# KiCad board pcb.kicad_pcb (continued)
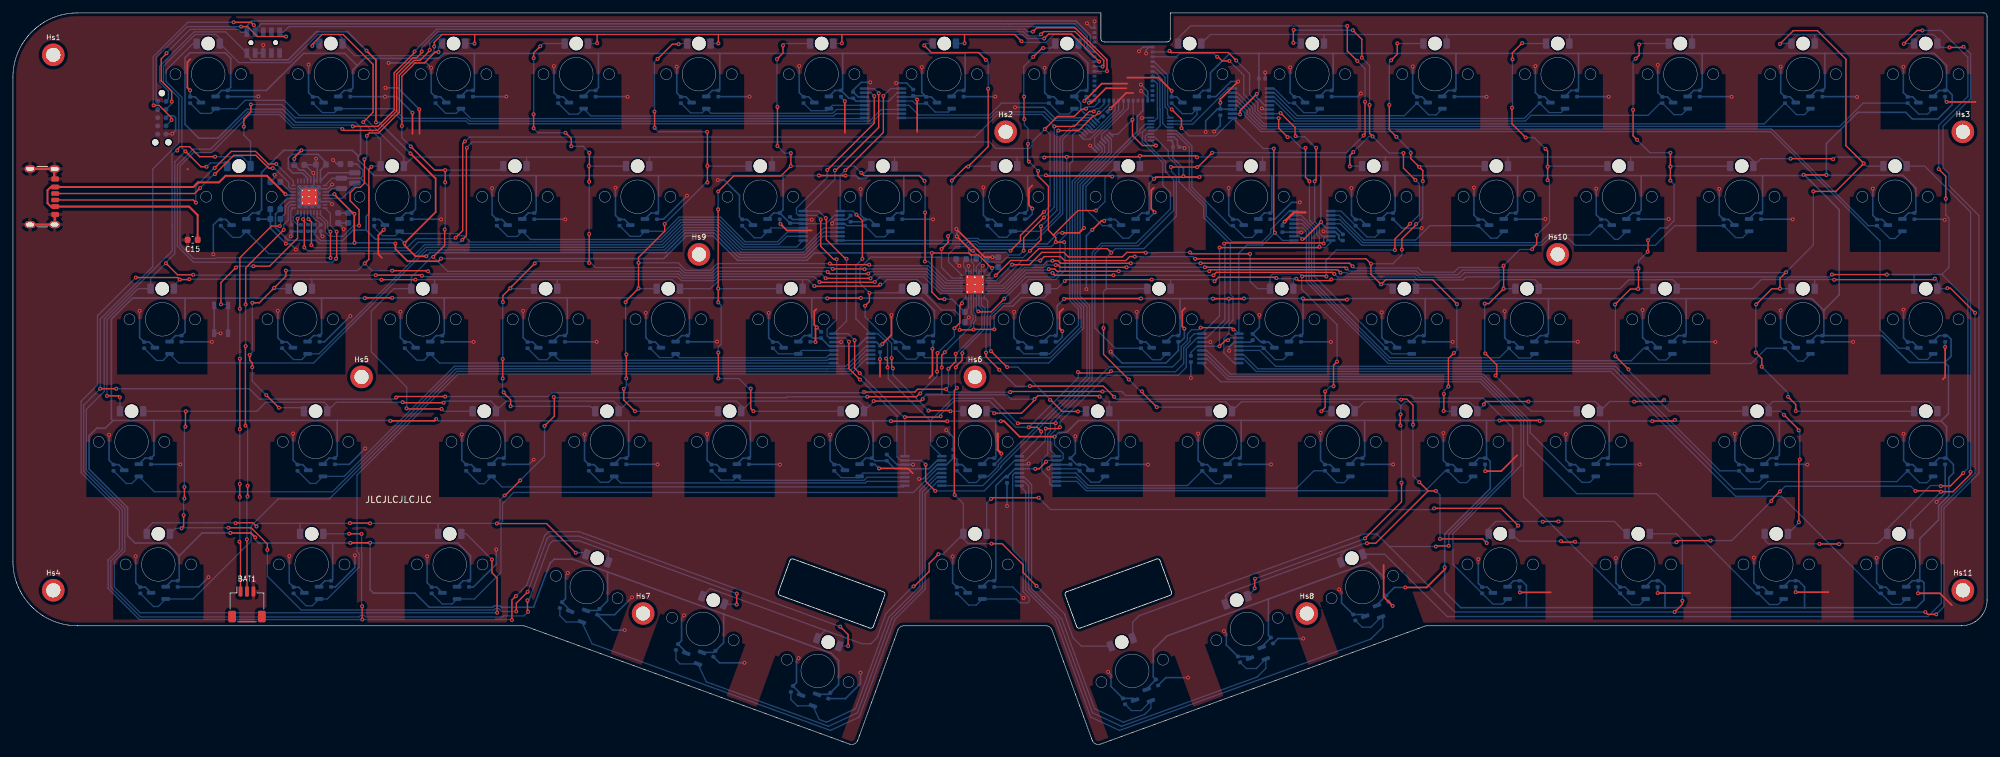
[diagram p0: board, top side]
## Routing (per net, layer and track width the routed paths; a pad name or vN(x,y) marks a point on that pad's centre or on a via; arc(x,y) is an arc through that point) (continued)
/CS2: length 157.1
  Top w0.2: v1(217.32,80.62) 217.32,80.53 215.11,78.32 v1(215.11,76.67) ; v1(222.32,55.44) 222.32,59.77 v1(223.18,60.63) ; v1(183.09,75.23) 209.56,75.23 v1(210.33,74.46) 210.33,72.84 v1(211.9,71.27) 212.63,72 219.85,72 v1(223.64,68.21) ; v1(216.49,91.64) 216.49,90.78 v1(217.81,89.46) 218.35,88.92 v1(218.35,87.25) ; v1(221.59,51.63) 221.62,51.66 v1(221.62,54.29) ; v1(159.1,74.95) 159.73,75.58 162.25,75.58 162.87,74.96 172.36,74.96 172.98,75.58 v1(173.76,75.58) ; v1(213.45,106) 214.4,106.95 v1(214.4,108.64) ; v1(213.17,99.09) 213.17,95.24 v1(214.27,94.14)
  Bottom w0.2: v1(217.81,89.46) 217.95,89.6 D26.1 ; v1(214.4,108.64) 214.44,108.6 D11.1 ; v1(222.32,55.44) 221.62,54.74 v1(221.62,54.29) ; D40.1 213.03,71.27 v1(211.9,71.27) ; v1(221.59,51.63) 221.62,51.6 D55.1 ; v1(213.45,106) 213.17,105.72 v1(213.17,99.09) ; v1(223.64,68.21) 223.64,61.09 v1(223.18,60.63) ; v1(215.11,76.67) 215.11,75.85 213.72,74.46 v1(210.33,74.46) ; LEDDR1.4 152.75,71.45 156.25,74.95 v1(159.1,74.95) ; v1(183.09,75.23) 182.74,75.58 175.78,75.58 175.72,75.52 175.18,75.52 175.12,75.58 v1(173.76,75.58) ; v1(216.49,91.64) 216.49,91.92 v1(214.27,94.14) ; v1(218.35,87.25) 218.35,81.56 217.41,80.62 v1(217.32,80.62)
/CS3: length 174.3
  Top w0.2: v1(228.03,60.56) 229.81,58.78 229.81,57.33 v1(229.61,57.13) ; v1(237.69,87.42) v1(237.69,89.51) 237.69,91.94 v1(237.35,92.28) ; v1(207.48,74.07) 207,74.55 v1(183.93,74.55) ; v1(234.29,94.03) 232.17,96.15 v1(232.17,98.67) ; v1(235.99,78.89) 235.99,77.49 235.29,76.79 v1(235.29,76.72) ; v1(173.13,74.54) 162.23,74.54 161.84,74.93 v1(160.99,74.93) ; v1(233.75,108.68) 232.24,107.17 v1(232.24,106.14) ; v1(227.94,68.28) 228.56,68.28 v1(230.87,70.59) 230.87,74.16 v1(230.86,74.17)
  Bottom w0.2: v1(228.03,60.56) 227.94,60.65 v1(227.94,68.28) ; v1(160.99,74.93) 160.92,74.86 160.15,74.86 159.59,74.3 156.5,74.3 153.25,71.05 LEDDR1.5 ; D41.1 230.88,70.6 v1(230.87,70.59) ; v1(232.17,98.67) 232.24,98.74 v1(232.24,106.14) ; D12.1 233.83,108.6 v1(233.75,108.68) ; D27.1 237.78,89.6 v1(237.69,89.51) ; v1(229.61,57.13) 229.61,57.11 235.12,51.6 D56.1 ; v1(235.29,76.72) 235.25,76.67 233.37,76.67 v1(230.86,74.17) 230.58,73.89 223.92,73.89 223.19,73.16 218.3,73.16 217.66,73.8 207.75,73.8 v1(207.48,74.07) ; v1(234.29,94.03) 235.6,94.03 v1(237.35,92.28) ; v1(183.93,74.55) 183.92,74.54 v1(173.13,74.54) ; v1(235.99,78.89) 237.98,80.88 237.98,87.13 v1(237.69,87.42)
/CS4: length 201.7
  Top w0.2: v1(248.18,60.13) 250.22,58.09 v1(250.22,58.08) ; v1(253.18,76.32) 253.24,76.38 v1(253.24,78.12) ; v1(161.51,74.26) 161.87,74.26 162.22,73.91 v1(172.48,73.91) ; v1(256.7,87.36) v1(256.7,89.51) v1(256.7,91.67) ; v1(251.86,108.45) 251.86,106.8 v1(251.32,106.26) ; v1(206.54,73.72) 206.33,73.93 v1(184.6,73.93) ; v1(250.92,98.32) 250.92,94.29 v1(251.54,93.67) ; v1(251.76,73.74) 251.76,70.6 v1(251.71,70.55) 250.52,70.55 v1(248.12,68.15)
  Bottom w0.2: v1(206.54,73.72) 206.91,73.35 217.34,73.35 217.93,72.76 223.75,72.76 224.48,73.49 251.51,73.49 v1(251.76,73.74) 251.76,74.9 v1(253.18,76.32) ; v1(256.7,89.51) 256.79,89.6 D28.1 ; v1(251.32,106.26) 250.92,105.86 v1(250.92,98.32) ; v1(251.54,93.67) 253.54,91.67 v1(256.7,91.67) ; D13.1 252.01,108.6 v1(251.86,108.45) ; D42.1 251.76,70.6 v1(251.71,70.55) ; v1(172.48,73.91) 172.5,73.93 v1(184.6,73.93) ; LEDDR1.6 153.41,70.65 156.66,73.9 159.75,73.9 160.11,74.26 v1(161.51,74.26) ; v1(248.18,60.13) 248.18,68.09 v1(248.12,68.15) ; v1(256.7,87.36) 257.27,86.79 257.27,81.13 256.15,80.01 255.13,80.01 v1(253.24,78.12) ; D57.1 256.54,51.6 250.22,57.92 v1(250.22,58.08)
/CS5: length 232.1
  Top w0.2: v1(274.92,53.84) 276.12,52.64 v1(276.12,51.63) ; v1(185.28,73.32) 185.49,73.53 205.17,73.53 v1(205.61,73.09) ; v1(273.67,108.53) 275.74,110.6 279.47,110.6 283.89,106.18 283.89,92.77 v1(286.65,90.01) 282.32,85.68 v1(278.84,85.68) ; v1(171.26,73.3) 161.7,73.3 161.36,73.64 v1(160.43,73.64) ; v1(269.99,68.16) 272.42,70.59 v1(273.68,70.59) 273.68,72.22 v1(274.61,73.15) ; v1(270.85,58.5) 270.85,59.78 v1(269.92,60.71)
  Bottom w0.2: v1(171.26,73.3) 185.26,73.3 v1(185.28,73.32) ; v1(274.92,53.84) 274.92,54.43 v1(270.85,58.5) ; D29.1 287.06,89.6 v1(286.65,90.01) ; v1(273.68,70.59) 273.69,70.6 D43.1 ; v1(278.84,85.68) 278.84,77.38 v1(274.61,73.15) 274.55,73.09 224.84,73.09 224.11,72.36 217.76,72.36 217.17,72.95 206.74,72.95 206.6,73.09 v1(205.61,73.09) ; LEDDR1.7 153.58,70.25 156.83,73.5 160.29,73.5 v1(160.43,73.64) ; v1(269.92,60.71) 269.92,68.09 v1(269.99,68.16) ; v1(276.12,51.63) 276.15,51.6 D58.1 ; D14.1 273.74,108.6 v1(273.67,108.53)
/CS6: length 273.1
  Top w0.2: v1(295.74,110.63) 294.92,110.63 v1(292.85,108.56) ; v1(281.72,72.8) 281.73,72.79 v1(290.23,72.79) ; v1(185.92,72.67) 186.38,73.13 204.42,73.13 v1(204.66,72.89) ; v1(282.82,31) 282.78,31.04 v1(279.79,31.04) ; v1(299.35,84.53) 299.35,88.04 v1(298.26,89.13) ; v1(298.57,39.98) 298.61,40.02 300.06,40.02 v1(302.06,42.02) ; v1(170.44,72.68) 161.36,72.68 v1(161,73.04)
  Bottom w0.2: D44.1 294.45,72.8 294.44,72.81 ; LEDDR1.8 153.76,69.85 156.95,73.04 v1(161,73.04) ; v1(298.26,89.13) 298.26,95.9 302.78,100.41 302.78,106.45 298.6,110.63 v1(295.74,110.63) ; v1(170.44,72.68) 170.45,72.67 v1(185.92,72.67) ; 298.75,72.81 299.84,73.9 299.84,81.53 299.35,82.02 v1(299.35,84.53) ; 298.75,72.81 302.78,68.78 302.78,42.73 v1(302.06,42.02) ; 298.75,72.81 294.44,72.81 ; v1(290.23,72.79) 290.25,72.81 294.44,72.81 ; v1(204.66,72.89) 205.13,72.42 217.11,72.42 217.57,71.96 224.55,71.96 225.01,72.42 281.34,72.42 v1(281.72,72.8) ; v1(292.85,108.56) 292.89,108.6 D15.1 ; D71.1 271.3,31.63 271.88,31.05 279.78,31.05 v1(279.79,31.04) ; v1(298.57,39.98) 298.47,40.09 296.99,40.09 290.3,33.4 D72.1 288.82,31.12 282.94,31.12 v1(282.82,31)
/CS7: length 174.3
  Top w0.2: v1(236.93,34.46) 236.98,34.52 v1(239.38,34.52) ; v1(221.02,31.81) 227.63,31.81 v1(228.27,31.17) ; 219.17,39.25 v1(220.38,39.25) ; 219.17,39.25 211.06,31.14 v1(209.71,31.14) ; 219.17,39.25 v1(217.81,40.61) ; v1(215,53.39) 215.09,53.48 215.88,53.48 216.84,52.52 v1(216.84,49.51) ; v1(150.7,60.69) 150.7,60.09 v1(152.77,58.02) ; v1(157.51,55.5) 168.88,55.5 v1(170.55,53.83)
  Bottom w0.2: v1(215,53.39) 214.91,53.48 170.9,53.48 v1(170.55,53.83) ; 206.45,30.08 209.22,31.09 209.66,31.09 v1(209.71,31.14) ; 206.45,30.08 205.68,29.31 D68.1 ; 206.45,30.08 188.31,23.48 187.83,23 D67.1 ; v1(150.7,60.69) 150.7,63.99 150.88,64.17 150.88,66.38 150.97,66.48 150.97,68.69 LEDDR1.9 ; v1(221.02,31.81) 221.02,38.61 v1(220.38,39.25) ; v1(236.93,34.46) 236.88,34.52 229.67,34.52 228.55,33.4 D69.1 228.27,32.32 v1(228.27,31.17) ; v1(216.84,49.51) 216.84,41.58 v1(217.81,40.61) ; v1(239.38,34.52) 248,34.52 249.93,32.6 ; v1(157.51,55.5) 157.49,55.48 155.31,55.48 v1(152.77,58.02)
/CS8: length 125
  Top w0.2: v1(146.02,58.39) 146.02,58.52 147.01,59.51 147.01,60.56 v1(147.05,60.6) ; v1(146.21,55.21) 145.8,54.8 145.8,38.68 v1(145.86,38.62) ; v1(143.34,29.45) 141.9,28.01 141.9,26.75 139.59,24.44 v1(139.48,24.44) ; v1(151.55,31.07) 153.19,31.07 156.46,27.8 156.46,26.6 v1(158.54,24.52)
  Bottom w0.2: v1(151.55,31.07) 147.93,31.07 147.2,31.8 D65.1 ; v1(145.86,38.62) 147.2,37.28 D65.1 ; LEDDR1.10 150,68.08 150.57,67.51 150.57,66.64 150.46,66.53 150.46,64.32 147.05,60.91 v1(147.05,60.6) ; D64.1 124.58,16.43 125.79,17.63 ; v1(158.54,24.52) 162.9,20.16 162.9,20.01 164.19,16.47 165.46,15.19 D66.1 ; 125.79,17.63 131.5,15.56 132.9,15.56 133.85,16.51 135.21,20.26 139.39,24.44 v1(139.48,24.44) ; 125.79,17.63 107.98,24.12 106.79,22.92 D63.1 ; v1(146.21,55.21) 145.95,55.46 145.95,58.32 v1(146.02,58.39) ; D65.1 144.05,29.45 v1(143.34,29.45)
/CS9: length 173.7
  Top w0.2: 74.93,34.07 v1(74.93,34.19) 82.65,34.19 v1(87.17,29.67) ; v1(78.57,40.89) 76.21,38.53 v1(76.13,38.53) ; v1(55.32,34.22) 55.28,34.26 v1(52.19,34.26) ; v1(37.73,33.74) 37.16,34.31 34.54,34.31 v1(34.49,34.25) ; v1(132.31,53.85) 139.94,53.85 140.45,54.36 v1(140.53,54.36) ; v1(146.98,68.34) 146.66,68.01 146.66,65.3 v1(145.81,64.45) ; v1(83.76,53.82) 83.85,53.73 83.85,50.84 v1(82.33,49.32) ; v1(143.2,60.63) 143.13,60.56 v1(143.13,57.74)
  Bottom w0.2: v1(143.2,60.63) 145.81,63.24 v1(145.81,64.45) ; v1(37.73,33.74) 37.73,33.94 38.02,34.23 44.5,34.23 ; LEDDR1.16 146.98,68.64 v1(146.98,68.34) ; v1(140.53,54.36) 140.53,54.44 143.13,57.04 v1(143.13,57.74) ; v1(76.13,38.53) 75.43,37.83 75.43,34.69 v1(74.93,34.19) 74.9,34.22 65.99,34.22 ; v1(87.17,29.67) 88.57,29.67 D62.1 ; v1(34.49,34.25) 34.44,34.31 30.72,34.31 30.71,34.32 30,34.32 29.99,34.31 21.63,34.31 20.73,33.4 D59.1 ; v1(78.57,40.89) 82.33,44.65 v1(82.33,49.32) ; D61.1 65.85,34.08 65.99,34.22 ; 44.5,34.23 44.48,34.2 D60.1 ; 44.5,34.23 52.16,34.23 v1(52.19,34.26) ; 65.99,34.22 v1(55.32,34.22) ; v1(83.76,53.82) 83.89,53.69 94.89,53.69 94.9,53.7 119.76,53.7 119.89,53.83 131.63,53.83 131.65,53.85 v1(132.31,53.85)
/CS10: length 203
  Top w0.2: v1(133.49,71.64) 133.44,71.59 124.94,71.59 v1(124.92,71.61) ; v1(14.56,53.98) 16.34,53.98 v1(16.56,53.76) ; v1(29.99,89.5) 29.11,89.5 v1(26.71,91.89) ; v1(27.93,72.76) 25.49,72.76 v1(23.69,74.55) ; v1(56.19,72.7) 63.25,72.7 v1(63.35,72.6)
  Bottom w0.2: v1(63.35,72.6) 63.47,72.48 102.91,72.48 103.54,71.85 108.71,71.85 109.34,72.48 124.05,72.48 v1(124.92,71.61) ; v1(16.56,53.76) 16.57,53.74 D45.1 ; LEDDR1.17 143.66,69.85 141.07,72.44 134.29,72.44 v1(133.49,71.64) ; v1(56.19,72.7) 27.99,72.7 v1(27.93,72.76) ; D1.1 27.87,108.6 23.72,104.45 23.72,102.71 26.17,100.27 26.17,92.44 v1(26.71,91.89) 25.07,90.25 25.07,76.04 23.69,74.66 v1(23.69,74.55) 21.32,72.19 D30.1 19.38,70.6 14.56,65.77 v1(14.56,53.98) ; D16.1 32.7,90.1 30.59,90.1 v1(29.99,89.5)
/CS11: length 188.4
  Top w0.2: v1(41.21,52.15) 41.18,52.15 v1(39.23,54.1) ; v1(64.29,73.3) 64.2,73.39 v1(58.73,73.39) ; v1(55.52,89.5) 55.12,89.1 55.12,85.45 55.13,85.45 55.13,84.24 55.12,84.24 55.12,75.15 v1(54.48,74.51) ; v1(54.25,96.41) 55.78,97.93 55.78,105.37 51.15,110 47.88,110 46.37,108.48 v1(46.37,108.23) ; v1(37.08,68.41) 38.15,68.41 v1(40.46,70.72) 42.27,72.53 v1(42.27,73.4) ; v1(125.86,72.22) 125.88,72.2 v1(132.82,72.2) ; v1(37.07,58.42) 37.07,59.1 36.66,59.5 v1(36.66,60.34)
  Bottom w0.2: v1(58.73,73.39) 55.6,73.39 v1(54.48,74.51) 53.37,73.4 v1(42.27,73.4) ; v1(39.23,54.1) 37.07,56.26 v1(37.07,58.42) ; v1(132.82,72.2) 133.46,72.84 141.34,72.84 143.93,70.25 LEDDR1.18 ; v1(54.25,96.41) 56.95,93.71 D17.1 55.62,89.6 v1(55.52,89.5) ; D31.1 40.58,70.6 v1(40.46,70.72) ; v1(64.29,73.3) 64.71,72.88 103.08,72.88 103.71,72.25 108.55,72.25 109.18,72.88 125.2,72.88 v1(125.86,72.22) ; v1(41.21,52.15) 44.52,52.15 D46.1 ; v1(37.08,68.41) 37.08,60.75 v1(36.66,60.34) ; v1(46.37,108.23) 46.73,108.6 D2.1
/CS12: length 177.2
  Top w0.2: v1(132.48,72.93) 132.46,72.91 126.45,72.91 v1(126.18,73.17) ; v1(60.95,52.05) 61.04,51.96 v1(66.39,51.96) ; v1(65.09,75.53) 66.87,77.31 v1(66.87,79.79) ; v1(60.24,95.82) 60.24,103.54 62.29,105.59 63.72,105.59 65.4,107.27 v1(65.91,107.27) ; v1(66.95,87.07) v1(66.95,88.98) 65.29,88.98 v1(61.62,92.65)
  Bottom w0.2: v1(66.95,87.07) 66.95,79.87 v1(66.87,79.79) ; LEDDR1.19 144.1,70.65 141.51,73.24 132.79,73.24 v1(132.48,72.93) ; D18.1 75.33,88.98 v1(66.95,88.98) ; v1(126.18,73.17) 126.07,73.29 109.02,73.29 108.38,72.65 103.87,72.65 103.23,73.29 67.33,73.29 v1(65.09,75.53) 64.85,75.53 61.7,72.38 D32.1 59,70.6 55.5,67.1 55.5,60.81 60.99,55.32 60.99,52.09 v1(60.95,52.05) ; D3.1 65.91,108.06 v1(65.91,107.27) ; v1(60.24,95.82) 60.24,94.03 v1(61.62,92.65) ; D47.1 66.75,51.6 v1(66.39,51.96)
/CS13: length 161.4
  Top w0.2: v1(75.86,59.69) v1(75.86,56.69) ; v1(80.64,95.46) v1(80.64,97.63) ; v1(89.28,91.68) 89.28,89.68 89.22,89.62 v1(89.19,89.62) 89.25,89.56 v1(89.25,87.18) ; v1(126.97,73.67) 126.98,73.66 131.87,73.66 v1(131.91,73.62) ; v1(89.25,79.08) v1(89.25,74.58) ; v1(80.65,106.32) 80.65,107.15 v1(81.68,108.18) ; v1(77.08,52.37) 77.08,53.39 76,54.46 v1(76,54.53) ; v1(75.89,68.52) 75.89,69.53 v1(77.03,70.67) 77.03,70.72 v1(80.82,74.51) ; v1(86.47,92.67) 86.47,93.88 v1(85.58,94.77)
  Bottom w0.2: v1(76,54.53) 75.83,54.7 75.83,56.66 v1(75.86,56.69) ; v1(86.47,92.67) 88.29,92.67 v1(89.28,91.68) ; LEDDR1.20 144.28,71.05 141.67,73.66 131.95,73.66 v1(131.91,73.62) ; v1(77.03,70.67) 77.1,70.6 D33.1 ; v1(89.25,79.08) v1(89.25,87.18) ; v1(81.68,108.18) 82.1,108.6 D4.1 ; v1(85.58,94.77) 81.33,94.77 v1(80.64,95.46) ; v1(80.64,97.63) 80.65,97.64 v1(80.65,106.32) ; D19.1 89.21,89.6 v1(89.19,89.62) ; v1(80.82,74.51) 81.14,74.83 89,74.83 v1(89.25,74.58) 89.52,74.58 90.23,73.86 103.22,73.86 104.04,73.05 108.22,73.05 109.03,73.86 126.77,73.86 v1(126.97,73.67) ; D48.1 89.43,52.37 v1(77.08,52.37) ; v1(75.89,68.52) 75.86,68.49 v1(75.86,59.69)
/CS14: length 148.6
  Top w0.2: v1(126.52,74.49) 126.69,74.32 v1(132.61,74.32) ; v1(100.94,80.64) 100.94,79.49 96.89,75.44 v1(96.89,70.63) 94.97,68.71 ; v1(94.61,55.07) 94.61,53.34 v1(96.35,51.6) ; v1(95,56.68) 95,60.4 v1(95.01,60.41) ; v1(99.38,95.54) 99.38,98.03 v1(99.36,98.05) ; v1(103.1,108.5) 102.13,108.5 v1(99.84,106.21) ; v1(107.53,94.92) 107.56,94.89 v1(107.56,89.63) v1(107.56,87.05)
  Bottom w0.2: v1(107.56,89.63) 107.59,89.6 D20.1 ; v1(99.36,98.05) 99.36,105.73 v1(99.84,106.21) ; v1(132.61,74.32) 132.75,74.18 141.74,74.18 144.47,71.45 LEDDR1.21 ; D34.1 96.92,70.6 v1(96.89,70.63) ; D5.1 103.2,108.6 v1(103.1,108.5) ; v1(126.52,74.49) 109.09,74.49 108.05,73.45 104.2,73.45 103.04,74.61 v1(96.89,74.61) ; v1(95,56.68) 95,55.46 v1(94.61,55.07) ; v1(107.56,87.05) 107.35,87.05 v1(100.94,80.64) ; v1(94.89,68.49) 94.89,60.53 v1(95.01,60.41) ; v1(99.38,95.54) 100,94.92 v1(107.53,94.92) ; D49.1 v1(96.35,51.6)
/CS15: length 142.8
  Top w0.2: v1(120.48,91.62) v1(120.48,89.6) 118.97,88.09 111.65,88.09 v1(109.22,85.66) ; v1(118.41,98.8) 118.41,92.72 v1(118.4,92.71) ; v1(131.39,88.56) 131.82,88.13 140.36,88.13 v1(141.19,87.3) ; v1(109.25,60.7) 109.25,56.68 v1(109.26,56.67) ; v1(109.22,82.9) v1(109.22,70.61) 109.24,70.6 v1(109.24,68.48) ; v1(119.26,108.32) 119.26,107.12 v1(118.33,106.19) ; v1(114.69,51.62) 114.27,52.04 v1(114.27,55.12) ; v1(141.28,82.42) 141.28,74.87 v1(141.23,74.83)
  Bottom w0.2: D35.1 109.24,70.6 v1(109.22,70.61) ; v1(109.25,60.7) 109.24,60.71 109.24,61.57 109.69,62.02 109.69,68.03 v1(109.24,68.48) ; LEDDR1.22 144.75,71.85 141.77,74.83 v1(141.23,74.83) ; v1(114.27,55.12) 114.15,55 114.1,55 112.43,56.67 v1(109.26,56.67) ; D50.1 114.71,51.6 v1(114.69,51.62) ; v1(141.28,82.42) 141.28,87.21 v1(141.19,87.3) ; v1(118.4,92.71) 119.49,91.62 v1(120.48,91.62) ; v1(109.22,85.66) v1(109.22,82.9) ; v1(120.48,89.6) 130.35,89.6 v1(131.39,88.56) 131.91,88.56 D21.1 ; D6.1 119.54,108.6 v1(119.26,108.32) ; v1(118.33,106.19) 118.33,98.88 v1(118.41,98.8)
/CS16: length 106.5
  Top w0.2: v1(143.82,76.75) 144.83,77.76 v1(144.83,78.76) ; v1(151.04,101.6) 151.04,92.63 v1(147.94,89.53) 147.58,89.53 v1(145.41,87.36) ; v1(150.68,106.07) 149.55,107.19 142.25,107.19 v1(141.14,108.31) ; v1(132.65,69.95) 132.65,68.61 v1(131.98,67.94) ; v1(136.09,59.85) 136.09,58.45 v1(136.29,58.25) ; v1(145.2,51.6) 145.1,51.7 v1(141.79,51.7)
  Bottom w0.2: 143.82,75.47 v1(143.82,76.75) ; 143.82,75.47 143.81,75.48 132.85,75.48 131.19,73.82 131.19,71.41 v1(132.65,69.95) 137.05,69.95 D36.1 ; 143.82,75.47 143.82,73.88 145.45,72.25 LEDDR1.23 ; v1(147.94,89.53) 148.01,89.6 D22.1 ; v1(136.09,59.85) 136.09,62.11 131.98,66.22 v1(131.98,67.94) ; v1(144.83,78.76) 145.41,79.34 v1(145.41,87.36) ; v1(136.29,58.25) 136.29,57.2 v1(141.79,51.7) ; D7.1 141.43,108.6 v1(141.14,108.31) ; v1(151.04,101.6) 151.04,105.71 v1(150.68,106.07) ; D51.1 v1(145.2,51.6)
/CS17: length 118.9
  Top w0.2: v1(167.74,82.71) 164.92,82.71 161.13,78.92 ; v1(157.21,93.04) 157.16,92.99 157.16,90.48 v1(157.35,90.29) ; v1(153.99,58.44) 153.95,58.44 v1(151.47,60.92) ; v1(156.65,96.86) 156.59,96.92 156.59,100.36 v1(156.61,100.38) ; v1(159.56,107.9) 159.4,107.9 v1(158.02,106.52) ; v1(162.81,77.81) 161.52,77.81 v1(161.51,77.82) 161.51,78.54 161.13,78.92 ; 161.13,78.92 160.37,79.68 160.37,86.48 158.78,88.07 v1(158.78,88.86) ; v1(164.95,51.57) 162.51,51.57 160.72,53.36 v1(160.63,53.36)
  Bottom w0.2: v1(157.21,93.04) 157.21,95.45 156.65,96.01 v1(156.65,96.86) ; D23.1 169.13,87.77 169.13,84.09 v1(167.74,82.71) ; v1(156.61,100.38) 156.55,100.44 156.55,105.05 v1(158.02,106.52) ; v1(151.47,60.92) 151.37,61.02 151.37,66.41 153.26,68.3 154.4,68.3 D37.1 156.7,71.4 157.32,72.02 161.48,72.02 162.95,73.49 162.95,77.67 v1(162.81,77.81) ; v1(161.51,77.82) 160.81,77.12 149.52,77.12 149.1,77.54 148.24,77.54 147.82,77.12 146.07,77.12 144.9,75.95 144.9,74.76 LEDDR1.24 ; v1(159.56,107.9) 160.75,107.9 D8.1 ; v1(160.63,53.36) 160.63,53.45 155.64,58.44 v1(153.99,58.44) ; v1(164.95,51.57) 166.17,51.57 D52.1 ; v1(157.35,90.29) v1(158.78,88.86)
/GPIO_X: length 152.9
  Top w0.2: v1(64.56,107.6) 64.56,107.5 63.05,105.99 62.12,105.99 59.84,103.7 59.84,97.94 56.64,94.74 55.21,94.74 54.81,94.34 v1(54.81,94.28) ; v1(168.24,105.8) 163.98,110.06 160.39,110.06 v1(159.72,109.38) ; v1(53.61,80.37) 53.61,82.84 52.22,84.22 52.22,85.45 53.07,86.3 53.8,86.3 54.44,86.94 54.44,90.54
  Bottom w0.2: PMIC1.10 47.12,81.58 47.54,81.58 48.36,80.75 48.36,79.39 49.04,78.71 51.09,78.71 52.75,80.37 v1(53.61,80.37) ; v1(159.72,109.38) 157,109.38 157,109.38 156.38,110 65.94,110 64.56,108.62 v1(64.56,107.6) ; v1(54.44,90.66) 54.81,91.03 v1(54.81,94.28) ; M1.8 v1(168.24,105.8)
/INT: length 211.3
  Top w0.2: v1(52.65,95.76) 56.53,95.76 59.04,98.27 59.04,104.05 62.21,107.22 v1(62.21,107.37) ; v1(50.04,75.25) 50.14,75.34 v1(50.14,79.44) ; v1(169.44,104.32) 169.44,106.11 164.5,111.05 158.58,111.05 v1(157.97,110.44)
  Bottom w0.2: v1(50.14,79.44) 49.16,80.41 49.16,82.26 PMIC1.8 ; v1(50.04,75.25) 49.5,74.71 27.98,74.71 25.47,77.22 25.47,89.77 27.93,92.23 30.62,92.23 36.37,97.98 41.46,97.98 43.48,95.96 52.45,95.96 v1(52.65,95.76) ; M1.10 169.42,104.3 v1(169.44,104.32) ; v1(157.97,110.44) 157.07,110.44 156.69,110.82 65.63,110.82 62.21,107.4 v1(62.21,107.37) ; 167.49,104.49 167.5,104.5
/LED_DR_EN: length 40.6
  Top w0.2: v1(168.19,97.9) 168.15,97.9 167.67,97.42 167.35,97.42 165.04,95.11 v1(161.9,95.11) ; v1(159.21,80.27) 159.21,78.17 v1(157.5,76.46)
  Bottom w0.2: v1(159.21,80.27) 161.68,82.74 161.68,94.89 v1(161.9,95.11) ; LEDDR1.32 150.99,73.83 150.99,74.97 C29.1 151.24,74.72 153.21,74.72 153.89,75.41 156.45,75.41 v1(157.5,76.46) ; v1(168.19,97.9) 168.5,97.9 169.75,99.15 M1.19 ; 169.74,99.94 169.75,99.93
/LOADSW_CTRL: length 206.8
  Top w0.2: v1(49.2,75.36) 49.18,75.38 v1(49.18,79.44) ; v1(168.76,105.02) 168.95,105.21 168.95,106 164.5,110.46 159.65,110.46 v1(159.22,110.03) ; v1(63.32,107.37) 63.32,107.17 62.53,106.39 61.96,106.39 59.44,103.87 59.44,98.1 56.47,95.14 51.23,95.14 v1(51.01,95.36)
  Bottom w0.2: PMIC1.9 47.62,82.05 48.76,80.92 48.76,79.86 v1(49.18,79.44) ; v1(168.76,105.02) 168.74,105.05 M1.9 ; 167.73,105.02 167.51,105.24 167.49,105.24 ; v1(51.01,95.36) 50.81,95.56 43.31,95.56 41.29,97.58 36.67,97.58 30.79,91.69 27.95,91.69 25.87,89.61 25.87,77.39 27.98,75.28 31.31,75.28 31.42,75.39 49.17,75.39 v1(49.2,75.36) ; v1(159.22,110.03) 158.97,109.78 157.16,109.78 156.52,110.42 65.8,110.42 63.32,107.94 v1(63.32,107.37)
/MUX_B_1: length 30.8
  Bottom w0.2: MUXA1.14 166.49,96.67 161.07,96.67 159.74,98 152.31,98 151.39,97.07 MUXB1.8
/MUX_B_2: length 52.4
  Bottom w0.2: MUXA1.11 165.72,95.32 164.16,95.32 162.57,93.73 162.57,82.19 158.49,78.11 149.74,78.11 149.46,78.39 147.88,78.39 147.57,78.07 MUXB2.8
/MUX_B_3: length 66.5
  Bottom w0.2: MUXB3.8 160.42,59.07 165.83,64.48 165.83,67.75 164.48,69.1 164.48,87.09 169.08,91.68 169.08,92.67 MUXA1.5
/MUX_B_4: length 70.1
  Bottom w0.2: MUXB4.8 150.21,40.07 153.01,42.87 153.01,43.06 166.74,56.79 166.74,67.98 165.28,69.44 165.28,86.75 170.14,91.61 170.14,93.73 MUXA1.2
/MUX_B_5: length 11.9
  Bottom w0.2: MUXA2.11 182.71,96.1 188.23,101.62 MUXB5.8
/MUX_B_6: length 33.1
  Bottom w0.2: MUXA2.14 180.15,94.6 182.19,92.55 182.19,86.16 184.82,83.52 184.82,81.85 188.8,77.87 193.47,77.87 194.82,79.21 194.82,79.79 197.65,82.62 MUXB6.8
/MUX_B_7: length 42.6
  Bottom w0.2: MUXA2.2 176.81,94.1 178.93,91.98 178.93,91 180.58,89.35 180.58,87.2 184.42,83.36 184.42,81.61 188.55,77.49 188.55,69.73 188.97,69.31 188.97,65.73 188.34,65.1 188.34,63.67 187.54,62.87 187.54,60.66 189.13,59.07 MUXB7.8
/MUX_B_8: length 71
  Bottom w0.2: MUXB8.8 160.88,40.07 160.57,40.37 160.57,41.11 159.36,42.33 159.36,44.04 160.28,44.96 160.28,48.09 160.68,48.49 160.68,49.95 167.14,56.41 167.14,76.19 168.59,77.65 173.95,77.65 179.28,82.97 179.28,85.45 178.08,86.64 178.08,90.14 174.92,93.3 174.92,94.82 175.69,95.6 MUXA2.5
/MUXA_SEL: length 15.2
  Top w0.2: v1(173.39,96.81) 173.39,94.35 174.95,92.79 v1(177.03,92.79)
  Bottom w0.2: 173.49,99.94 173.5,99.93 ; MUXA1.1 171.11,94.52 v1(173.39,96.81) 173.5,96.92 M1.24 ; v1(177.03,92.79) 176.25,93.57 MUXA2.1
/MUXB_SEL_0: length 202.7
  Top w0.2: v1(135.45,58.38) 135.45,58.38 135.45,59.55 v1(135.25,59.75) ; v1(189.04,64.26) 188.74,64.56 v1(183.94,64.56) ; v1(134.81,100.48) 134.81,94.81 128.94,88.95 v1(128.91,88.95) ; v1(195.28,92.32) 195.28,79.43 v1(195.44,79.27) ; v1(180.98,95.49) 180.98,96.87 v1(179.47,98.38) ; v1(155.63,49.73) 161.48,49.73 v1(161.51,49.76) ; v1(130.64,82.08) 131.56,81.15 v1(131.56,75.21)
  Bottom w0.2: MUXB1.1 135.95,101.62 v1(134.81,100.48) ; v1(183.94,64.56) 183.62,64.24 182.56,64.24 181.9,63.58 181.9,62.6 180.93,61.63 180.93,59.79 179.61,58.48 169.8,58.48 161.51,50.19 v1(161.51,49.76) 161.41,49.66 161.41,48.66 160.68,47.92 160.68,45.55 MUXB8.1 ; v1(135.45,58.38) 135.56,58.27 135.56,56.63 141.14,51.05 142.13,50.06 ; 142.13,50.06 142.13,50.16 145.57,53.6 151.76,53.6 v1(155.63,49.73) ; 142.13,50.06 142.13,46.36 MUXB4.1 ; v1(195.28,92.32) 193.64,92.32 MUXB5.1 188.89,96.86 186.31,94.29 182.18,94.29 v1(180.98,95.49) ; v1(128.91,88.95) 128.11,88.15 MUXB2.1 130.09,82.62 v1(130.64,82.08) ; v1(131.56,75.21) 130.56,74.2 130.56,65.92 MUXB3.1 133.96,63.62 135.45,62.13 135.45,59.96 v1(135.25,59.75) ; MUXB6.1 196.63,78.07 v1(195.44,79.27) 193.55,77.38 193.55,77.37 191.12,77.37 189.86,76.11 MUXB7.1 189.23,64.26 v1(189.04,64.26) ; M1.36 176.73,105.8 178.84,103.69 178.84,99.01 v1(179.47,98.38)
/MUXB_SEL_1: length 221.8
  Top w0.2: v1(196.04,97.04) 196.04,95.47 v1(197.41,94.1) ; v1(129.11,75.23) 128.95,75.23 125.97,78.21 125.97,81.47 v1(125.89,81.55) ; v1(131.16,57.49) 130.36,58.29 v1(130.36,62.62) ; v1(186.5,106.54) 186.63,106.54 187.27,105.91 v1(188.4,105.91) ; v1(143.69,50.82) 143.69,50.8 143.58,50.69 v1(138.14,50.69) ; v1(186.88,76.97) 202.23,76.97 v1(202.35,77.09) ; v1(164.94,57.68) 165.09,57.53 169.76,57.53 v1(170.06,57.83) ; v1(127.3,88.95) 127.44,88.95 134.09,95.6 v1(134.09,100.9) ; v1(159.26,48.45) 159.26,48.5 158.65,49.11 v1(157.31,49.11) ; v1(200.19,92.44) 200.19,87.85 v1(200.8,87.24)
  Bottom w0.2: v1(125.89,81.55) 124.82,82.62 MUXB2.16 127.3,87.53 v1(127.3,88.95) ; v1(186.5,106.54) 186,107.05 180.67,107.05 180.17,106.55 M1.37 ; v1(196.04,97.04) 196,97.07 MUXB5.16 193.41,97.07 192.38,98.1 192.38,98.96 190.63,100.71 190.63,103.68 v1(188.4,105.91) ; v1(200.19,92.44) 200.07,92.32 199.66,92.32 197.88,94.1 v1(197.41,94.1) ; MUXB1.16 133.37,101.62 v1(134.09,100.9) ; v1(186.88,76.97) 186.88,66.36 MUXB7.16 182.99,63.62 182.3,62.94 182.3,62.44 181.32,61.46 181.32,58.99 180.05,57.72 170.17,57.72 v1(170.06,57.83) ; MUXB4.16 v1(138.14,50.69) 138.14,50.63 138.08,50.57 138.07,50.57 v1(131.16,57.49) ; v1(200.8,87.24) 200.8,81.24 201.93,80.11 201.93,79.04 202.35,78.62 v1(202.35,77.09) 202.48,76.96 203.28,76.96 204.11,77.79 MUXB6.16 ; v1(159.26,48.45) 159.26,47.99 MUXB8.16 ; v1(130.36,62.62) 129.36,63.62 MUXB3.16 129.11,65.59 v1(129.11,75.23) ; v1(164.94,57.68) 165.01,57.61 165.01,56.81 v1(157.31,49.11) 155.35,49.11 151.26,53.2 145.78,53.2 143.69,51.11 v1(143.69,50.82)
/MUXB_SEL_2: length 221.9
  Top w0.2: v1(201.84,92.44) 201.84,87.47 v1(201.61,87.24) ; v1(133.4,100.46) 133.4,96.27 v1(126.12,88.99) ; v1(203,77.6) 202.91,77.69 187.69,77.69 v1(187.58,77.58) ; v1(141.36,43.33) 141.36,40.74 v1(142.85,39.25) ; v1(196.33,97.83) 198.57,95.59 198.57,94.32 v1(198.66,94.24) ; v1(125.11,81.32) 125.11,77.15 127.11,75.16 v1(127.58,75.16) ; v1(189.46,105.97) 188.23,107.19 179.38,107.19 v1(179.12,107.46) ; v1(129.48,62.39) 129.48,58.21 v1(131.19,56.5) ; v1(162.16,49.13) 161.94,48.91 v1(159.97,48.91)
  Bottom w0.2: v1(125.11,81.32) 124.45,81.97 MUXB2.15 121.65,81.97 121.35,82.27 121.35,83.07 126.12,87.85 v1(126.12,88.99) ; v1(159.97,48.91) 159.88,48.82 159.88,47.01 156.84,43.97 MUXB8.15 155.15,43.97 150.43,39.25 v1(142.85,39.25) ; M1.38 178.96,107.3 v1(179.12,107.46) 179.08,107.5 ; v1(203,77.6) 203,78.35 203.38,78.72 ; v1(131.19,56.5) 131.28,56.5 136.91,50.87 136.91,44.54 137.48,43.97 MUXB4.15 140.72,43.97 v1(141.36,43.33) ; MUXB1.15 132.88,100.97 v1(133.4,100.46) ; MUXB6.15 203.38,78.72 ; 203.38,78.72 202.82,78.72 202.33,79.21 202.33,80.27 201.61,80.99 v1(201.61,87.24) ; v1(198.66,94.24) 198.75,94.15 200.08,94.15 201.72,92.51 201.72,92.32 v1(201.84,92.44) ; v1(127.58,75.16) 127.58,65.8 126.1,64.32 126.1,63.27 126.4,62.97 MUXB3.15 128.89,62.97 v1(129.48,62.39) ; v1(189.46,105.97) 191.53,103.9 191.53,100.68 192.78,99.43 192.78,98.27 193.33,97.72 MUXB5.15 196.22,97.72 v1(196.33,97.83) ; v1(187.58,77.58) 187.7,77.46 187.7,65.8 184.87,62.97 MUXB7.15 183.4,62.97 181.73,61.3 181.73,58.42 180.48,57.18 169.42,57.18 162.16,49.92 v1(162.16,49.13)
